# Altium PCB PowerBoard.PcbDoc
Units mm, origin at the board's own origin, x right, y up, seen from the top; angles counter-clockwise.
Board outline 141.61 x 111.12 mm, 2 copper layers (Top Layer, Bottom Layer); 66 components, 31 nets, 161 pads, 14 vias.
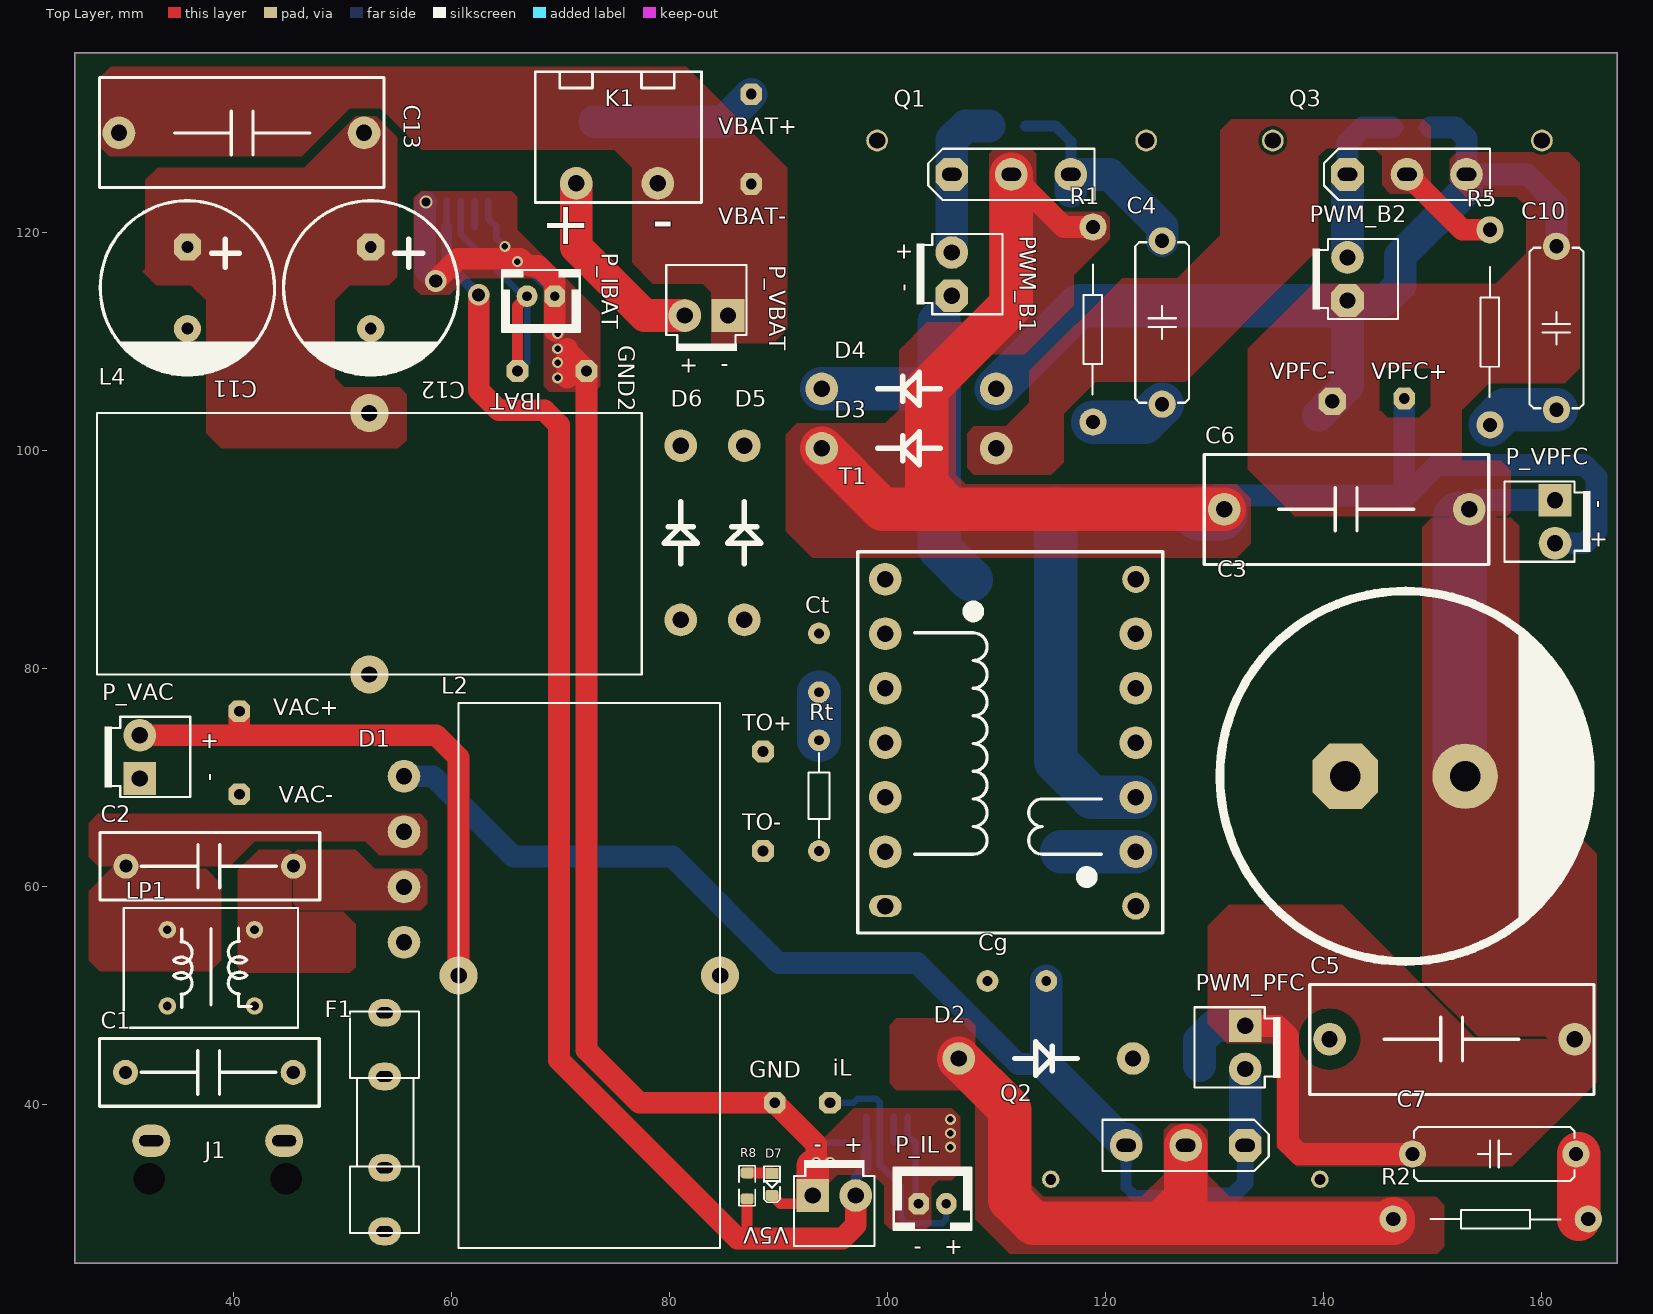
[diagram p0: Top Layer view]
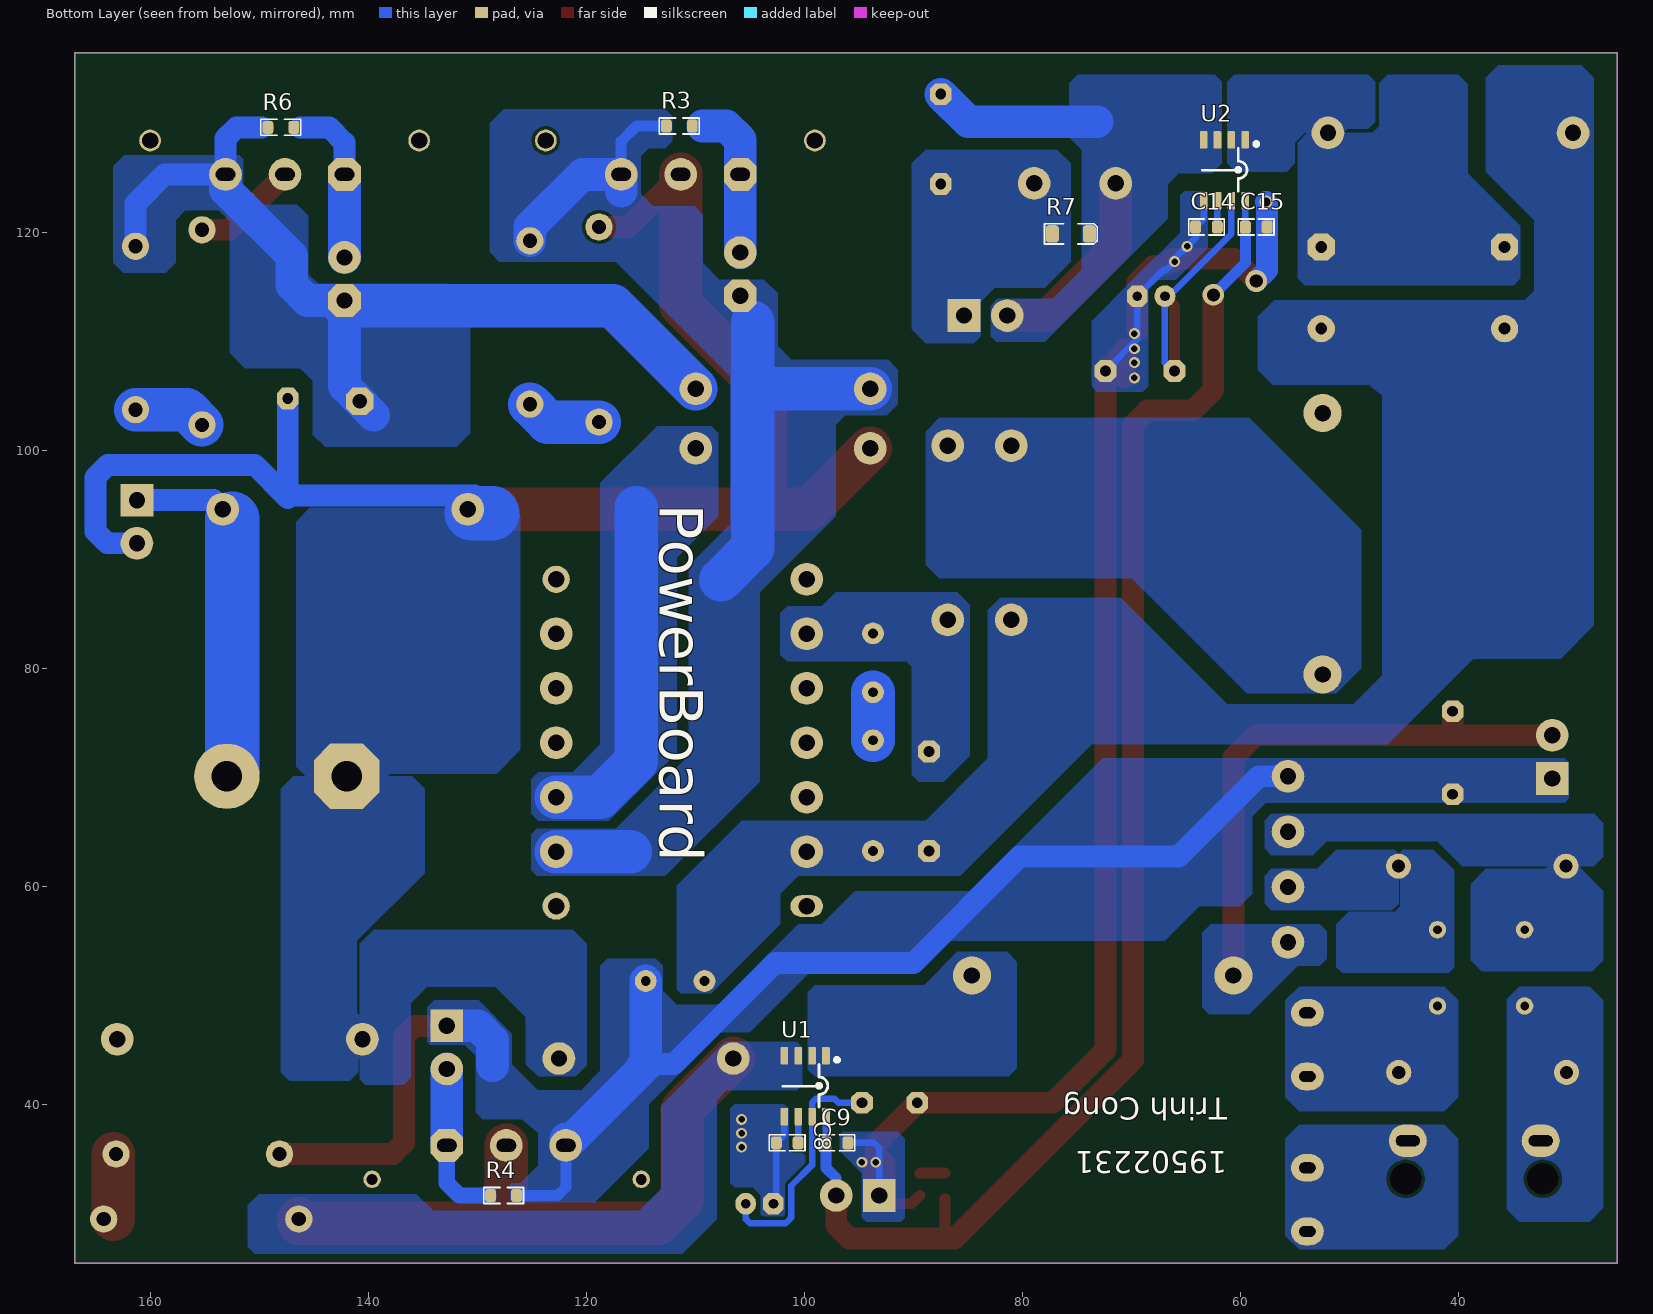
[diagram p1: Bottom Layer view, seen from below]

## Layer stack, top to bottom
Top Solder: solder mask 0.0102, Solder Resist, Dk 3.5
Top Layer: signal copper 0.0356
Dielectric 1: dielectric 0.32, FR-4, Dk 4.8
Bottom Layer: signal copper 0.0356
Bottom Solder: solder mask 0.0102, Solder Resist, Dk 3.5

## Board outline
25.4,25.4 167.005,25.4 167.005,136.525 25.4,136.525

## Design rules (kind name [scope] priority, off if disabled: settings)
Clearance [All] p1: gap=0.3 ignorepadtopadclearanceinfootprint=FALSE
PolygonConnect [All] p1: connectstyle=Direct reliefconductorwidth=0.254 reliefentries=4 polygonreliefangle="90 Angle" airgapwidth=0.254
RoutingVias [All] p1: holewidth=0.711 width=1.27 viastyle="Through Hole" minholewidth=0.711 minwidth=1.27 maxholewidth=0.711 maxwidth=1.27
SolderMaskExpansion [All] p1: expansion=0.102 istentingtop=FALSE
Width [All] p1: maxlimit=5 minlimit=0.5 preferedwidth=2
30 further rules are at their usual default settings.

## Components (designator, comment, footprint, x,y, rotation, side; value= is the part's Value field where it differs from the comment)
C1 "0.1uF" "CAP P=15MM" 30.066,42.926 r0 top value=0,047uF
C2 "0.1uF" "CAP P=15MM" 30.099,61.849 r0 top value=0,047uF
C3 "470uF 450V" "cap dxl 35x45" 147.535,70.104 r0 top
C4 "NO" "CAP CBB22 100nF/630V" 125.222,111.76 r270 top value=0,047uF
C5 "105K 275VAC" "CAP P=22.5mm Len=26.5" 163.089,45.974 r180 top value=0,047uF
C6 "105K 275VAC" "CAP P=22.5mm Len=26.5" 153.416,94.615 r180 top value=0,047uF
C7 "NO" "CAP CBB22 100nF/630V" 155.702,35.433 r0 top value=0,047uF
C8 "1nF" cap_0805 101.6,36.449 r0 bottom
C9 "0.1uF" cap_0805 97.028,36.449 r0 bottom
C10 "NO" "CAP CBB22 100nF/630V" 161.417,111.252 r270 top value=0,047uF
C11 "1000uF 63V" "CAP DxL 16x25" 35.747,114.935 r270 top
C12 "1000uF 63V" "CAP DxL 16x25" 52.578,114.935 r270 top
C13 "105K 275VAC" "CAP P=22.5mm Len=26.5" 29.464,129.159 r0 top value=0,047uF
C14 "1nF" cap_0805 63.119,120.523 r0 bottom
C15 "0.1uF" cap_0805 58.547,120.523 r0 bottom
Cg "2.2nF 1000V" "CAP CERAMIC Blue" 111.887,51.308 r180 top value=0,047uF
Ct "1nF 1000V" "CAP CERAMIC Blue" 93.726,80.518 r90 top value=0,047uF
D1 "KBL410 KV 4A" "SIP-4 KBL" 55.626,59.944 r90 top
D2 "DIODE DIP" "DIODE DO-201AD" 114.554,44.196 r0 top value=HER506
D3 "DIODE DIP" "DIODE DO-201AD" 101.981,100.203 r180 top value=HER506
D4 "DIODE DIP" "DIODE DO-201AD" 101.981,105.664 r180 top value=HER506
D5 "DIODE DIP" "DIODE DO-201AD" 86.868,92.456 r90 top value=HER506
D6 "DIODE DIP" "DIODE DO-201AD" 81.026,92.456 r90 top value=HER506
D7 "LED0805" LED0805 89.408,32.639 r270 top
F1 "F1A" FUSE 53.848,38.354 r90 top value=Fuse
GND "test PCB" Tp_black_1p#1 89.662,40.132 r0 top
GND2 "test PCB" Tp_black_1p#1 72.39,107.315 r0 top
IBAT "test PCB" tp_red_1p 66.04,107.315 r0 top
iL "test PCB" tp_red_1p 94.742,40.132 r0 top
J1 "Jack AC005" AC005 44.631,36.647 r180 top
K1 "KF_2PIN" KF_2PIN 75.184,128.524 r180 top
L2 "5mH" "IND 40P" 72.644,51.816 r0 top
L4 "5mH" "IND 40P" 52.451,91.44 r90 top
LP1 "5mH" "Filter Inductor" 29.909,58.022 r180 top value=300nH
P_IBAT "HHDR_2" XH_2 68.199,114.173 r180 top
P_IL "HHDR_2" XH_2 104.14,30.861 r0 top
P_VAC "HHDR_2" VH-2#1 31.369,71.882 r90 top
P_VBAT "HHDR_2" VH-2#1 83.387,112.395 r180 top
P_VPFC "HHDR_2" VH-2#1 161.29,93.472 r270 top
PWM_B1 "HHDR_2" VH-2#2 105.918,116.205 r90 top
PWM_B2 "HHDR_2" VH-2#2 142.24,115.749 r90 top
PWM_PFC "HHDR_2" VH-2#1 132.842,45.212 r270 top
Q1 "IRFP460" "TO-247 - HS342512"#1 105.918,125.349 r0 top
Q2 "IRFP460" "TO-247 - HS342512"#2 132.842,36.218 r180 top
Q3 "IRFP460" "TO-247 - HS342512"#1 142.24,125.349 r0 top
R1 "NO" R-2W 118.872,111.125 r90 top value="R1/4W - 1K"
R2 "NO" R-2W 155.829,29.464 r180 top value="R1/4W - 1K"
R3 "40K" R0805 111.506,129.794 r0 bottom
R4 "40K" R0805 127.635,31.623 r0 bottom
R5 "NO" R-2W 155.321,110.871 r90 top value="R1/4W - 1K"
R6 "40K" R0805 148.082,129.667 r0 bottom
R7 "470K" R1206 75.565,119.888 r180 bottom
R8 "1K" R0805 87.122,32.512 r270 top
Rt "10" R1/4W4 93.726,63.246 r90 top value="R1/4W - 1K"
T1 "EER35" "Pulse Transformer" 122.809,58.185 r90 top
TO+ "test PCB" tp_red_1p 88.576,72.39 r0 top
TO- "test PCB" Tp_black_1p#1 88.576,63.246 r0 top
U1 "ACS712-5A" ACS712 99.949,41.656 r270 bottom
U2 "ACS712-5A" ACS712 61.468,125.73 r270 bottom
V5V "HHDR_2" VH-2#1 95.123,31.623 r0 top
VAC+ "test PCB" tp_red_1p 40.513,76.073 r270 top
VAC- "test PCB" Tp_black_1p#1 40.513,68.453 r270 top
VBAT+ "test PCB" tp_red_1p 87.503,132.715 r0 top (schematic designator Vbat+)
VBAT- "test PCB" Tp_black_1p#1 87.503,124.46 r0 top
VPFC+ "test PCB" tp_red_1p 147.447,104.775 r0 top (schematic designator Vpfc+)
VPFC- "test PCB" Tp_black_1p#2 140.843,104.521 r0 top (schematic designator Vpfc-)

## Footprints (in the part's own frame and the unit in brackets; to place one, negate y for a bottom-side part, rotate by r counter-clockwise, add the part's x,y. Pads: shape width x height; smd on the part's side, far side on the other; paste and mask are expansions set on the pad)
AC005 [mm] "AC005"
  oval 3.5x3 hole 1 slot 2.2 at 0 deg: 1(0,0) 2(12.2,0)
  round 0 hole 2.9: 12(-0.2,3.5) 12(12.4,3.5)
  body extent -4.9,-0.89 17.1,13.11, height 15.7
ACS712 [mm]
  rrect25% 1.6x0.7 smd: 1(-2.792,1.905) 2(-2.792,0.635) 3(-2.792,-0.635) 4(-2.792,-1.905) 5(2.792,-1.905) 6(2.792,-0.635) 7(2.792,0.635) 8(2.792,1.905)
  silkscreen extent -2.51,-2.03 1.92,3.02, body extent -3,-2.45 3,2.45, height 1.75
"CAP CBB22 100nF/630V" [mm]
  round 2.5 hole 1.3: 1(-7.5,0) 2(7.5,0)
  silkscreen extent -7.37,-2.48 7.37,2.48, body extent -9.23,-3.5 9.27,3.5, height 15
"CAP CERAMIC Blue" [mm] "2.2nF 1000V"
  round 2 hole 0.9: 1(-2.7,0) 2(2.7,0)
  body extent -3.25,-1.5 3.25,1.5, height 7
"CAP DxL 16x25" [mm] "1000uF 63V"
  oct 2.5x2.5 hole 1.1: 1(-3.75,0)
  round 2.5 hole 1.1: 2(3.75,0)
  silkscreen extent -8,-8 8,8, body extent -8.25,-8.25 8.25,8.25, height 26.4
"cap dxl 35x45" [mm] "470uF, 1000uF 450V"
  oct 6x6 hole 2.8: 1(-5.5,0)
  round 6 hole 2.8: 2(5.5,0)
  silkscreen extent -17,-17 17,17, body extent -17.5,-17.5 17.5,17.5, height 46
"CAP P=15MM" [mm] "Cap keo"
  round 2.3 hole 1.2: 1(0,0) 2(15.4,0)
  silkscreen extent -2.38,-3.1 17.8,3.1, body extent -2.36,-3.1 17.8,3.1, height 13.89
"CAP P=22.5mm Len=26.5" [mm] "Film Capacitor Grey Pitch 22.5mm, lenght 26.5mm, width 10.5mm, height 18.5mm, pin diameter 0.8mm"
  round 3 hole 1.5: 1(0,0) 2(22.5,0)
  silkscreen extent -1.78,-5.02 24.32,5.08, body extent -2,-5.25 24.5,5.25, height 18.5
cap_0805 [mm] "CHIP Capacitor, 2.0X1.3mm, 0805"
  rrect50% 1x1.2 smd mask+0.075: 1(-1,0) 2(1,0)
  silkscreen extent -1.64,-0.74 1.64,0.74, body extent -1,-0.63 1,0.62, height 1
"DIODE DO-201AD" [mm] "DIODE DO-201AD"
  round 3 hole 1.5: 1(-8,0) 2(8,0)
  silkscreen extent -2.86,-1.52 2.86,1.52, body extent -10.55,-2.55 10.55,2.55, height 7.55
"Filter Inductor" [mm]
  round 1.6 hole 0.8: 1(-12,9) 2(-12,2) 3(-4,9) 4(-4,2)
  silkscreen extent -16,0 0,11, body extent -15.5,0.25 -0.5,10.75, height 5.5
FUSE [mm] "De Fuse"
  oval 2.54x3 hole 1 slot 1.5 at 90 deg: 1(-10.033,0) 1(-4.191,0) 2(4.191,0) 2(10.033,0)
  silkscreen extent -10.16,-3.18 10.16,3.18, body extent -10.16,-3.1 10.16,3.1, height 9.6
"IND 40P" [mm]
  round 3.5 hole 1.5 mask+0.1: 1(-12,0) 2(12,0)
  silkscreen extent -12,-25 12,25, body extent -8.45,-24.54 8.8,24.69, height 41.91
KF_2PIN [mm]
  round 3 hole 1.5: 1(-3.75,4) 2(3.75,4)
  silkscreen extent -7.75,-6.25 7.5,5.75, body extent -7.62,-6.25 7.62,5.75, height 12.4
LED0805 [mm] "LED SMD 0805"
  rect 1x1.2 smd mask+0.075: 1(-1,0)
  rrect50% 1x1.2 smd mask+0.075: 2(1,0)
  Top Layer pour cut-out: -0.5,0.8 0.5,0.8 0.5,-0.8 -0.5,-0.8
  silkscreen extent -1.65,-0.74 1.65,0.74, body extent -1.01,-0.62 1.01,0.63, height 1.1
"Pulse Transformer" [mm] "Pulse Transformer"
  round 2.5 hole 1.5: 1(0,0) 7(30,0)
  round 3 hole 1.5: 2(5,0) 3(10,0) 4(15,0) 5(20,0) 6(25,0) 8(30,23) 9(25,23) 10(20,23) 11(15,23) 12(10,23) 13(5,23)
  oval 2x3 hole 1.5: 14(0,23)
  silkscreen extent -2.48,-2.48 32.52,25.52, body extent -8.01,-4.5 37.99,27.5, height 49.55
R1/4W4 [mm] "R 1/4W, 2 Pin, 400mil"
  round 2 hole 0.9: 1(0,0) 2(10.16,0)
  silkscreen extent 1.19,-0.97 9.02,0.97, body extent -0.3,-1.14 10.46,1.17, height 2.93
R0805 [mm] "0.125W 1/8W"
  rrect50% 1x1.2 smd mask+0.05: 1(-1.191,0) 2(1.191,0)
  silkscreen extent -1.83,-0.74 1.83,0.74, body extent -1.15,-0.67 1.15,0.67, height 0.76
R1206 [mm] "0.25W 1/4W"
  rrect50% 1.2x1.6 smd mask+0.05: 1(-1.699,0) 2(1.699,0)
  silkscreen extent -2.41,-0.93 2.41,0.93, body extent -1.6,-0.8 1.6,0.8, height 0.62
R-2W [mm] "R-2W"
  round 2.5 hole 1.3: 1(-8.509,0) 2(9.398,0)
  silkscreen extent -5.97,-0.81 5.97,0.86, body extent -8.87,-2.39 9.72,2.39, height 6
"SIP-4 KBL" [mm] "SILICON BRIDGE RECTIFIERS"
  round 3 hole 1.5: 1(-5.08,0) 2(0,0) 3(5.08,0) 4(10.16,0)
  body extent -6.92,-1.79 12.08,4.46, height 15.7
"TO-247 - HS342512"#1 [mm] "Nhôm T?n Nhi?t 34x25x12 Hàn PCB"
  oct 3x3 hole 1.2 slot 1.8 at 0 deg: 1(0,0)
  round 3 hole 1.2 slot 1.8 at 0 deg: 2(5.46,0) 3(10.92,0)
  round 2 hole 1.5: ""(-6.858,3.111) ""(17.842,3.111)
  silkscreen extent -2.16,-2.35 13.08,2.35, body extent -11.8,-3.14 22.72,9.36, height 25.2
"TO-247 - HS342512"#2 [mm] "Nhôm T?n Nhi?t 34x25x12 Hàn PCB"
  oct 3x3 hole 1.2 slot 1.8 at 0 deg: 1(0,0)
  round 3 hole 1.2 slot 1.8 at 0 deg: 2(5.46,0) 3(10.92,0)
  round 1.6 hole 1: ""(-6.858,3.111) ""(17.842,3.112)
  silkscreen extent -2.16,-2.35 13.08,2.35, body extent -11.8,-3.14 22.72,9.36, height 25.2
Tp_black_1p#1 [mm]
  oct 2x2 hole 1: 1(0,0)
  body extent -1.15,-1.15 1.15,1.15, height 5
Tp_black_1p#2 [mm]
  oct 2.5x2.5 hole 1.3: 1(0,0)
  body extent -1.15,-1.15 1.15,1.15, height 5
tp_red_1p [mm]
  oct 2x2 hole 1: 1(0,0)
  body extent -1.15,-1.15 1.15,1.15, height 5
VH-2#1 [mm] "PW10-xx-M, JST-BxB-XH-A pitch: 2.5mm"
  rect 3x3 hole 1.5: 1(-1.98,0)
  round 3 hole 1.5: 2(1.98,0)
  silkscreen extent -3.68,-4.64 3.68,3.24, body extent -3.93,-4.8 3.93,3.7, height 10.9
VH-2#2 [mm] "PW10-xx-M, JST-BxB-XH-A pitch: 2.5mm"
  oct 3x3 hole 1.5: 1(-1.98,0)
  round 3 hole 1.5: 2(1.98,0)
  silkscreen extent -3.68,-4.64 3.68,3.22, body extent -3.93,-4.8 3.93,3.7, height 10.9
XH_2 [mm] "PW10-xx-M, JST-BxB-XH-A pitch: 2.5mm"
  oct 1.9x2 hole 0.9: 1(-1.27,0)
  oval 1.9x2 hole 0.9: 2(1.27,0)
  silkscreen extent -3.56,-2.4 3.56,3.3, body extent -3.61,-2.49 3.61,3.35, height 7.21

## Part data
C1 C2: library part "CAP Keo", "Polyester Film Capacitor 0NF 104J 275VAC", Copyright=VanDungEvn
C3 C11 C12: library part "CAP DIP", "CAP DIP"
C4 C5 C6 C7 C10 C13: library part "CAP Keo", "CAP Keo", Copyright=VanDungEvn
C8 C9 C14 C15: library part "CAP SMD", "CAP SMD", ASSEMBLY=ASSEMBLY, MANF=-, MANF_P#=MANF_PART#, PARAM="-, -%", PARAM2=-V, PRICE="100= 1$"
Cg: library part "CAP Keo", "Tu Gom Xanh 2.2nF 1000V", Copyright=VanDungEvn
Ct: library part "CAP Keo", "Tu Gom Xanh 1nF 1000V", Copyright=VanDungEvn
D1: library part "Diode Bridge", "Diode Bridge 1KV 4A"
D7: library part LED_SMD_0805, "LED, SMD, 0805", ASSEMBLY=ASSEMBLY, DESC=DESCRIPTION, MANF=MANF, MANF_P#=MANF_PART#, PARAM2=2.2V, PRICE=PRICE
F1: library part Fuse, "Cau Chi ong Thuy Tinh 3A 5x20mm", Designed by=VanDungEvn
GND GND2 IBAT iL TO+ TO- VAC+ VAC- VBAT+ VBAT- VPFC+ VPFC-: "testpin"
J1: library part "Jack AC", "AC005 5A"
L2 L4: library part "IND DIP", "IND DIP", LCSC=C412264, Manufacturer=Murata, Manufacturer Part Number=LQW15AN2N2G80D
LP1: library part "IND Filter 15mH", "INDUCTOR, 15mH", ASSEMBLY=ASSEMBLY, MANF=Coilcraft, MANF_P#=XAL1030-301MEC, PARAM="25~35A (Irms), 68A Isat, -40~165oC", PARAM2="1.7mOhm, 3mm Height", PRICE=4$
P_IBAT P_IL: library part XH_2, "XH 2 JST-XH pitch: 2.5mm"
P_VAC P_VBAT P_VPFC PWM_B1 PWM_B2 PWM_PFC V5V: library part VH-2, "VH-2"
Q1 Q2 Q3: library part "MOSFET IRFP460", "MOSFET N-Channel 500 V 20A (Tc) 280W (Tc) Through Hole TO-247AC", Package="TO-247 Vishay Siliconix", Availability="In Stock", Check_prices=https://www.snapeda.com/parts/IRFP460/Vishay+Siliconix/view-part/?ref=eda, MF="Vishay Siliconix", MP=IRFP460, PRICE=None, Purchase-URL=https://pricing.snapeda.com/search/part/IRFP460/?ref=eda, SnapEDA_Link=https://www.snapeda.com/parts/IRFP460/Vishay+Siliconix/view-part/?ref=snap
R1 R2 R5: library part "RES DIP", "RES DIP"
R3 R4 R6 R7 R8: library part "RES SMD", "RES SMD", ASSEMBLY=ASSEMBLY, DESC=DESCRIPTION, DIST#=MOUSER, MANF=VISHAY, MANF_P#=WSLP0805R0100FEA, PARAM="0.5W, -55~155oC", PARAM2=1%, PRICE=0.5$
Rt: library part "RES DIP", "10 ohm, 1W"
T1: library part "Pulse Transformer", "Pulse Transformer"
U1 U2: library part ACS712ELCTR-T, "ACS712ELCTR-T", Package=None, Availability=Unavailable, MF="{'manufacturer': u'Allegro'}", MP=ACS712ELCTR-20A-T, PRICE=None
D2 D3 D4 D5 D6: ASSEMBLY=ASSEMBLY, DESC=DESCRIPTION, MANF=Kingtronics, MANF_P#=M7, PARAM="1000V VRRM", PARAM2=1A, PRICE=PRICE

## Via types
v1: diameter 1, hole 0.6, Top Layer to Bottom Layer, 11 vias
v2: diameter 2, hole 1.2, Top Layer to Bottom Layer, 2 vias
v3: diameter 1.2, hole 0.8, Top Layer to Bottom Layer, 1 vias

## Nets (pads, with @x,y where several pads share a name; then routed paths per layer and width w, separated by ;. In a path a pad name is that pad's centre, name@x,y a point inside that pad or via, vN(x,y) a via of type N, cw(c..) or ccw(c..) an arc to the next point about the centre after c; other vN are vias at no path point)
+5: C9.2 C15.2 R8.2 U1.8 U2.8 V5V.2 | length 135.2
  Top Layer w1: 87.122,27.813 R8.2 ; 87.503,27.686 87.63,27.813
  Top Layer w2: v2(62.484,114.3) 62.484,105.537 64.325,103.695 68.516,103.695 69.85,102.362 69.85,44.069 86.233,27.686 87.503,27.686 95.885,27.686 97.103,28.904 V5V.2 V5V.2@97.103,31.877
  Bottom Layer w0.6: C15.2 59.563,120.539 U2.8 ; C9.2 98.044,36.465 U1.8
  Bottom Layer w1: C15.2 59.547,117.237 v2(62.484,114.3) ; V5V.2@97.103,30.861 V5V.2 97.103,33.222 98.028,34.147 C9.2
BAT+: K1.2 P_VBAT.2 R7.2 U2.3 U2.4 VBAT+.1 | length 33.8
  Top Layer w3: K1.2 71.434,118.685 77.724,112.395 P_VBAT.2
  Bottom Layer w3: 73.152,130.175 84.963,130.175 VBAT+.1
COM1: C4.1 D4.2 PWM_B1.1 Q1.3 R3.2 T1.2 | length 63.6
  Bottom Layer w1: R3.2 115.443,129.794 116.838,128.399 Q1.3
  Bottom Layer w3: 116.838,123.823 Q1.3 120.396,125.349 125.222,120.523 C4.1
  Bottom Layer w4: D4.2 104.267,105.664 104.775,106.172 ; 104.775,111.76 104.775,106.172 ; 107.696,88.138 104.775,91.059 104.775,106.172 ; 116.012,63.185 T1.2
COM2: C3.2 C5.1 C6.1 C7.1 C10.1 Cg.1 D1.4 D4.1 P_VAC.1 P_VPFC.1 PWM_B2.1 PWM_PFC.1 Q2.3 Q3.3 R4.1 R6.2 VAC-.1 VPFC-.1 | length 249.2
  Top Layer w2: PWM_PFC.1 135.815,47.192 136.779,46.228 136.779,36.449 137.795,35.433 C7.1
  Bottom Layer w1: Q2.3 121.922,32.383 122.682,31.623 R4.1 ; R6.2 149.86,129.667
  Bottom Layer w2: D1.4 58.293,70.104 65.659,62.738 80.264,62.738 90.043,52.959 102.743,52.959 112.014,43.688 114.587,43.688 115.351,43.688 ; 149.86,129.667 152.146,129.667 153.16,128.653 Q3.3 158.75,125.349 161.417,122.682 C10.1 ; C6.1 154.253,95.452 P_VPFC.1
  Bottom Layer w3: Cg.1 114.587,43.688 114.587,43.553 Q2.3 Q2.3@121.922,36.832 ; 128.651,43.561 128.651,45.847 129.996,47.192 PWM_PFC.1 ; 139.573,103.251 VPFC-.1 142.24,105.918 142.24,113.284 PWM_B2.1 145.646,113.769 147.066,115.189 147.066,117.856 153.16,123.95 Q3.3
  Bottom Layer w4: D4.1 117.601,113.284 PWM_B2.1@142.24,113.284
  Bottom Layer w5: C6.1@152.527,93.726 152.527,70.612 C3.2
GNBAT: C11.2 C12.2 C13.1 Cg.2 D6.1 K1.1 P_VBAT.1 R7.1 Rt.1 T1.13 TO-.1 VBAT-.1
GND: C8.2 C9.1 C14.2 C15.1 D7.2 GND2.1 GND.1 P_IBAT.1 P_IL.1 U1.5 U2.5 V5V.1 | length 162.7
  Top Layer w1: D7.2 90.186,30.861 V5V.1@93.143,30.861
  Top Layer w2: v2(58.547,115.57) 60.579,117.602 65.786,117.602 v1(66.04,117.348) 66.294,117.602 66.802,117.094 ; 67.183,116.967 67.945,116.967 69.469,115.443 P_IBAT.1 v1@69.469,110.998 ; 70.612,109.347 70.612,109.093 ; 71.247,107.315 70.612,106.68 70.612,108.077 70.612,109.093 ; v1@93.143,34.342 v1(93.472,34.671) 93.472,36.322 GND.1 77.216,40.132 72.39,44.958 GND2.1 70.612,109.093
  Top Layer w3: V5V.1 v1@93.143,34.342
  Bottom Layer w0.6: U2.5 63.373,121.269 C14.2 64.119,119.523 v1(64.897,118.745) 66.04,117.602 v1(66.04,117.348) 66.802,116.586 67.056,116.586 P_IBAT.1 69.469,110.236 GND2.1 ; V5V.1@93.143,30.861 V5V.1 93.143,35.993 93.599,36.449 C9.1 ; U1.5 101.854,37.195 C8.2 102.6,31.131 P_IL.1
  Bottom Layer w2: v3(57.658,122.809) 57.547,122.698 C15.1 57.547,116.57 v2(58.547,115.57)
  other v1: 94.742,34.671 105.791,36.068 105.791,37.338 105.791,38.608 69.723,106.68 69.723,108.077 69.723,109.347 69.723,110.744
NetC1_1: C1.1 J1.2 LP1.3
NetC1_2: C1.2 F1.2 LP1.1
NetC2_1: C2.1 D1.3 LP1.4
NetC2_2: C2.2 D1.2 LP1.2
NetC3_1: C3.1 C5.2 C6.2 D2.2 D3.2 P_VPFC.2 Q1.2 R1.2 VPFC+.1 | length 140.9
  Top Layer w2: Q1.2 116.204,120.523 R1.2
  Top Layer w4: D3.2 99.569,94.615 105.791,94.615 ; Q1.2 111.378,113.41 103.632,105.664 103.632,96.774 105.791,94.615 ; C6.2 105.791,94.615
  Bottom Layer w2: C6.2@130.302,95.885 147.447,95.885 ; C6.2 C6.2@131.445,94.615 ; VPFC+.1 147.447,95.885 ; P_VPFC.2 164.009,91.492 165.1,92.583 165.1,97.536 163.957,98.679 150.495,98.679 147.447,95.631 147.447,95.885
  Bottom Layer w5: 128.651,94.234 C6.2@130.556,94.234
NetC4_2: C4.2 R1.1 | length 7
  Bottom Layer w4: R1.1 123.578,102.616 C4.2
NetC7_2: C7.2 R2.1 | length 6
  Top Layer w4: R2.1@163.456,29.464 C7.2@163.456,35.433
NetC8_1: C8.1 U1.6 | length 2.4
  Bottom Layer w0.6: U1.6 100.6,38.848 C8.1
NetC10_2: C10.2 R5.1 | length 6.7
  Bottom Layer w4: R5.1 156.711,103.752 C10.2
NetC11_1: C11.1 C12.1 C13.2 L4.2 U2.1 U2.2
NetC14_1: C14.1 U2.6 | length 2.4
  Bottom Layer w0.6: U2.6 62.103,120.539 C14.1
NetCt_1: Ct.1 Rt.2 | length 4.4
  Bottom Layer w4: Rt.2 Ct.1
NetCt_2: Ct.2 D5.1 T1.9 TO+.1
NetD1_1: D1.1 L2.1 P_VAC.2 VAC+.1 | length 52.3
  Top Layer w2: P_VAC.2 40.513,73.862 ; VAC+.1 40.513,73.862 ; L2.1 60.644,71.817 58.599,73.862 40.513,73.862
NetD2_1: D2.1 Q2.2 R2.2 U1.3 U1.4 | length 59.4
  Top Layer w4: D2.1 111.252,39.498 111.252,31.242 113.411,29.083 125.095,29.083 ; Q2.2 127.382,31.37 125.095,29.083 ; R2.2 146.431,29.083 138.049,29.083 125.095,29.083
NetD3_1: D3.1 Q3.2 R5.2 T1.3 | length 41.7
  Top Layer w2: Q3.2 152.78,120.269 R5.2
  Bottom Layer w4: 115.443,94.741 115.443,71.501 118.759,68.185 T1.3
NetD5_2: D5.2 D6.2 L4.1
NetD7_1: D7.1 R8.1 | length 2.3
  Top Layer w1: R8.1 89.344,33.703 D7.1
NetF1_1: F1.1 J1.1
NetIBAT_1: IBAT.1 P_IBAT.2 U2.7 | length 26.1
  Top Layer w1: IBAT.1 66.04,113.284 P_IBAT.2
  Bottom Layer w0.6: U2.7 60.833,119.888 66.548,114.173 P_IBAT.2 66.929,108.077 IBAT.1@66.04,107.188
NetiL_1: iL.1 P_IL.2 U1.7 | length 22.2
  Bottom Layer w0.6: iL.1 96.901,40.132 97.282,40.513 98.933,40.513 99.314,40.132 U1.7 99.314,34.417 101.219,32.512 101.219,29.591 101.727,29.083 105.029,29.083 105.41,29.464 P_IL.2
NetL2_2: L2.2 U1.1 U1.2
NetPWM_B1_2: PWM_B1.2 Q1.1 R3.1 | length 15.3
  Bottom Layer w1: 109.347,129.794 R3.1
  Bottom Layer w3: PWM_B1.2 Q1.1 105.918,128.524 107.188,129.794 109.347,129.794
NetPWM_B2_2: PWM_B2.2 Q3.1 R6.1 | length 15.8
  Bottom Layer w1: 146.304,129.667 R6.1
  Bottom Layer w2: Q3.1 142.24,128.27 143.637,129.667 146.304,129.667
  Bottom Layer w3: PWM_B2.2 Q3.1
NetPWM_PFC_2: PWM_PFC.2 Q2.1 R4.2 | length 14.7
  Bottom Layer w1.5: R4.2@129.032,31.623 131.699,31.623 132.842,32.766 Q2.1
  Bottom Layer w3: Q2.1 PWM_PFC.2
pads on no net: J1.12 Q1. Q2. Q3. T1.1 T1.4 T1.5 T1.6 T1.7 T1.8 T1.10 T1.11 T1.12 T1.14

## Polygon pours and split planes (outlines as drawn)
NetC3_1 on Bottom Layer "netc" (solid, pour order 58): 138.303,70.104 138.049,70.358 128.27,70.358 126.111,72.517 126.111,93.853 127,94.742 145.415,94.742 146.685,93.472 146.685,92.329 146.685,70.993 145.796,70.104 145.415,70.104
NetC3_1 on Bottom Layer "netc" (solid, pour order 57): 140.843,48.133 141.097,48.387 141.097,54.991 134.874,61.214 134.874,68.961 136.017,70.104 146.939,70.104 148.082,68.961 148.082,42.926 147.32,42.164 141.732,42.164 140.97,42.926 140.97,44.069 140.843,44.196 140.843,44.831
NetC3_1 on Bottom Layer "netc" (solid, pour order 56): 125.603,43.688 124.46,42.545 121.031,42.545 120.015,43.561 120.015,54.737 121.285,56.007 139.573,56.007 140.843,54.737 140.843,42.291 140.335,41.783 136.779,41.783 136.144,42.418 136.144,49.276 134.62,50.8 128.397,50.8 125.603,48.006
COM2 on Bottom Layer "netc" (solid, pour order 52): 130.683,104.607 130.683,113.157 132.842,115.316 140.716,115.316 144.653,115.316 145.542,116.205 145.542,121.539 146.558,122.555 149.606,122.555 151.511,124.46 151.511,126.746 151.892,127.127 154.432,127.127 162.433,127.127 163.449,126.111 163.449,117.221 162.56,116.332 158.623,116.332 157.734,117.221 157.734,121.158 156.845,122.047 153.797,122.047 152.781,121.031 152.781,108.966 151.384,107.569 146.304,107.569 145.161,106.426 145.161,101.473 144.018,100.33 139.065,100.33 132.969,100.33 131.953,100.33 130.683,101.6
COM1 on Bottom Layer "netc" (solid, pour order 54): 124.587,65.278 125.095,64.77 125.095,61.468 124.587,60.96 112.776,60.96 104.14,69.596 104.14,86.995 97.155,93.98 97.155,102.362 96.266,103.251 92.456,103.251 91.44,104.267 91.44,107.442 92.329,108.331 101.219,108.331 102.489,109.601 102.489,114.427 103.759,115.697 107.823,115.697 109.347,117.221 109.347,121.666 110.109,122.428 113.919,122.428 115.062,123.571 115.062,127 114.3,127.762 112.776,127.762 112.141,128.397 112.141,130.683 112.776,131.318 127.635,131.318 128.905,130.048 128.905,118.237 128.016,117.348 117.348,117.348 106.807,106.807 106.807,93.218 110.617,89.408 110.617,72.009 117.348,65.278
NetD3_1 on Bottom Layer "netc" (solid, pour order 53): 124.46,70.485 125.095,69.85 125.095,66.675 124.46,66.04 117.983,66.04 111.76,72.263 111.76,90.17 107.95,93.98 107.95,101.6 108.585,102.235 113.538,102.235 118.745,97.028 118.745,73.025 121.285,70.485
COM2 on Bottom Layer "netc" (solid, pour order 49): 124.206,37.126 125.984,38.608 129.54,38.608 130.175,39.243 130.175,44.45 131.191,45.466 134.366,45.466 134.62,45.72 134.62,48.895 133.985,49.53 129.921,49.53 126.873,46.482 126.873,43.688 124.206,41.021
COM2 on Bottom Layer "netc" (solid, pour order 47): 57.658,67.691 30.226,67.691 29.845,68.072 29.845,71.374 30.226,71.755 72.644,71.755 84.836,59.563 95.377,59.563 98.425,56.515 100.584,56.515 107.95,49.149 111.76,49.149 113.03,50.419 113.03,52.705 113.665,53.34 118.11,53.34 118.745,52.705 118.745,46.99 118.745,43.053 120.523,41.275 124.46,41.275 124.46,34.417 126.111,32.766 126.873,32.766 127,32.639 127,31.242 126.746,30.988 119.253,30.988 114.3,35.941 114.3,40.005 107.696,46.609 105.029,46.609 102.87,48.768 100.711,50.927 99.568,52.07 89.535,52.07 86.614,54.991 66.929,54.991 63.754,58.166 60.071,58.166 58.928,59.309 58.928,66.421
NetD2_1 on Bottom Layer "netc" (solid, pour order 41): 100.711,45.72 105.664,45.72 107.315,45.72 108.077,44.958 109.728,43.307 109.728,41.275 108.077,40.386 107.188,41.275 100.711,41.275 100.203,41.783 100.203,45.212
NetD2_1 on Bottom Layer "netc" (solid, pour order 44): 108.077,44.958 113.157,39.878 113.157,32.258 115.189,30.226 134.112,30.226 135.636,31.75 150.114,31.75 151.13,30.734 151.13,26.924 150.495,26.289 111.252,26.289 108.077,29.464
NetL2_2 on Bottom Layer "netc" (solid, pour order 40): 99.695,43.18 99.06,42.545 81.28,42.545 80.518,43.307 80.518,53.086 81.407,53.975 85.979,53.975 89.027,50.927 99.06,50.927 99.695,50.292
NetCt_2 on Bottom Layer "netc" (solid, pour order 38): 89.535,69.596 87.249,69.596 84.836,72.009 84.836,85.852 85.979,86.995 97.155,86.995 98.425,85.725 101.6,85.725 102.235,85.09 102.235,81.28 101.6,80.645 90.678,80.645 90.17,80.137 90.17,70.231
NetD5_2 on Bottom Layer "netc" (solid, pour order 37): 87.63,102.997 88.9,101.727 88.9,89.535 87.63,88.265 69.977,88.265 59.436,77.724 51.181,77.724 48.895,80.01 48.895,92.71 59.182,102.997
GNBAT on Bottom Layer "netc" (solid, pour order 36): 27.559,106.045 48.252,106.045 46.99,105.083 48.252,106.045 46.99,105.083 46.99,79.375 49.657,76.708 61.214,76.708 70.993,86.487 82.042,86.487 83.185,85.344 83.185,71.755 88.9,66.04 105.791,66.04 111.76,60.071 111.76,50.546 111.379,50.165 108.585,50.165 102.235,56.515 102.235,59.309 100.584,60.96 85.725,60.96 73.66,73.025 46.482,73.025 38.608,80.899 30.607,80.899 27.559,83.947
GND on Bottom Layer "netc" (solid, pour order 35): 101.473,39.624 101.473,35.814 101.219,35.56 100.203,35.56 99.949,35.306 99.949,34.417 101.727,32.639 101.727,29.972 102.108,29.591 103.759,29.591 104.013,29.845 104.013,31.623 104.775,32.385 106.426,32.385 106.807,32.766 106.807,39.624 106.426,40.005 101.854,40.005
GND on Bottom Layer "netc" (solid, pour order 34): 94.361,29.21 91.186,29.21 90.805,29.591 90.805,36.83 91.44,37.465 96.52,37.465 96.774,37.211 96.774,35.687 96.52,35.433 94.742,33.655 94.742,31.877 94.742,29.591
NetC2_2 on Bottom Layer "netc" (solid, pour order 30): 45.466,62.992 45.085,63.373 42.291,63.373 40.386,61.468 40.386,52.578 40.894,52.07 50.673,52.07 51.181,52.578 51.181,56.515 50.038,57.658 45.847,57.658 45.339,58.166 45.339,60.579 45.466,60.706
NetC2_2 on Bottom Layer "netc" (solid, pour order 23): 46.101,57.785 51.435,57.785 57.15,57.785 57.785,58.42 57.785,60.96 57.15,61.595 52.959,61.595 51.181,63.373 45.847,63.373 45.466,62.992 45.466,58.42
NetC2_1 on Bottom Layer "netc" (solid, pour order 27): 31.75,61.849 32.004,61.595 37.465,61.595 38.862,60.198 38.862,53.213 37.846,52.197 27.686,52.197 26.67,53.213 26.67,59.563 28.956,61.849
NetC2_1 on Bottom Layer "netc" (solid, pour order 24): 57.15,66.675 57.785,66.04 57.785,63.5 57.15,62.865 53.34,62.865 52.07,64.135 41.91,64.135 39.624,61.849 27.559,61.849 26.67,62.738 26.67,65.801 27.586,66.718 27.629,66.675
NetD1_1 on Bottom Layer "netc" (solid, pour order 21): 52.705,56.515 62.738,56.515 63.5,55.753 63.5,48.895 62.865,48.26 59.182,48.26 58.42,49.022 54.737,52.705 52.705,52.705 52.07,53.34 52.07,55.88
NetF1_1 on Bottom Layer "netc" (solid, pour order 20): 40.005,36.83 41.275,38.1 54.61,38.1 55.88,36.83 55.88,27.94 54.61,26.67 41.275,26.67 40.005,27.94
NetC1_2 on Bottom Layer "netc" (solid, pour order 19): 40.005,49.53 41.275,50.8 54.61,50.8 55.88,49.53 55.88,40.64 54.61,39.37 41.275,39.37 40.005,40.64
NetC1_1 on Bottom Layer "netc" (solid, pour order 18): 35.56,30.353 34.417,29.21 27.94,29.21 26.67,30.48 26.67,49.53 27.94,50.8 34.417,50.8 35.56,49.657
GND on Bottom Layer "netc" (solid, pour order 17): 63.373,123.825 65.151,123.825 65.532,123.444 65.532,120.015 70.104,115.443 73.66,111.887 73.66,105.918 73.152,105.41 68.961,105.41 68.453,105.918 68.453,114.808 67.564,115.697 65.913,115.697 62.992,118.618 62.992,119.634 62.992,123.444
GNBAT on Bottom Layer "netc" (solid, pour order 10): 27.559,134.239 28.702,135.382 36.322,135.382 37.465,134.239 37.465,125.603 33.02,121.158 33.02,114.681 33.909,113.792 56.896,113.792 58.42,112.268 58.42,107.442 57.023,106.045 27.559,106.045
NetC11_1 on Bottom Layer "netc" (solid, pour order 13): 53.848,129.159 54.737,128.27 54.737,115.824 54.102,115.189 34.925,115.189 34.29,115.824 34.29,120.65 39.116,125.476 39.116,133.604 40.005,134.493 46.482,134.493 47.244,133.731 47.244,129.794 47.879,129.159 50.546,129.159
GNBAT on Bottom Layer "netc" (solid, pour order 8): 75.565,126.365 76.835,127.635 88.9,127.635 90.17,126.365 90.17,111.125 88.9,109.855 84.455,109.855 83.82,110.49 83.82,113.665 82.55,114.935 77.978,114.935 75.565,117.348
BAT+ on Bottom Layer "netc" (solid, pour order 6): 61.722,126.365 61.722,133.858 62.357,134.493 74.93,134.493 75.692,133.731 75.692,128.778 74.549,127.635 74.549,116.586 77.216,113.919 82.296,113.919 82.931,113.284 82.931,110.49 82.423,109.982 77.978,109.982 66.675,121.285 66.675,124.46 65.659,125.476 62.611,125.476
NetC11_1 on Bottom Layer "netc" (solid, pour order 2): 50.165,129.54 48.26,129.54 47.625,130.175 47.625,133.858 48.26,134.493 60.579,134.493 61.214,133.858 61.214,126.365 60.452,125.603 55.753,125.603 54.991,126.365 54.991,128.27 54.102,129.159 50.546,129.159
NetC3_1 on Top Layer "gnda" (solid, pour order 65): 132.08,96.901 133.35,95.631 133.35,91.44 132.08,90.17 93.091,90.17 90.678,92.583 90.678,101.473 91.694,102.489 99.822,102.489 101.092,103.759 101.092,109.22 103.632,111.76 107.188,111.76 109.347,113.919 109.347,127.254 109.855,127.762 113.157,127.762 113.665,127.254 113.665,124.46 116.205,121.92 119.888,121.92 120.396,121.412 120.396,119.38 119.805,118.789 117.094,116.078 117.094,113.284 112.649,108.839 109.601,108.839 106.299,105.537 106.299,97.79 107.188,96.901
GND on Top Layer "netc" (solid, pour order 33): 94.107,33.528 94.107,32.004 94.615,32.004 94.615,32.766 95.377,33.528 98.679,33.528 99.695,32.512 99.695,29.083 100.203,28.575 103.632,28.575 104.013,28.956 104.013,32.385 104.648,33.02 105.918,33.02 106.68,33.782 106.68,38.862 105.918,39.624 96.901,39.624 94.107,36.83
NetD3_1 on Top Layer "netc" (solid, pour order 64): 111.125,97.79 107.95,97.79 107.315,98.425 107.315,101.6 107.95,102.235 110.871,102.235 113.03,104.394 113.03,107.315 121.539,115.824 125.476,115.824 126.619,115.824 130.556,119.761 130.556,129.413 131.572,130.429 149.225,130.429 149.86,129.794 149.86,129.413 149.86,124.333 149.098,123.571 146.177,123.571 145.415,124.333 145.415,127 144.653,127.762 140.335,127.762 139.573,127 139.573,118.491 127.381,106.299 119.126,106.299 116.205,103.378 116.205,98.933 115.062,97.79
COM2 on Top Layer "netc" (solid, pour order 63): 147.13,101.028 145.161,102.997 145.161,104.775 145.161,102.997 145.161,103.759 145.923,102.997 148.844,102.997 149.86,104.013 149.86,107.569 145.161,107.569 145.161,115.316 155.829,115.316 158.623,118.11 158.623,122.428 157.734,123.317 153.035,123.317 151.638,124.714 151.638,126.746 152.273,127.381 162.56,127.381 163.576,126.365 163.576,117.221 163.576,107.569 162.179,106.172 155.194,106.172 152.717,103.695 152.717,99.06 149.098,99.06
COM2 on Top Layer "netc" (solid, pour order 62): 151.638,93.853 151.511,93.98 137.414,93.98 133.096,98.298 133.096,109.347 139.065,115.316 145.161,115.316 145.161,102.997 149.098,99.06 156.337,99.06 157.226,98.171 157.226,94.361 156.845,93.98 155.956,93.98 155.829,93.853
COM2 on Top Layer "netc" (solid, pour order 61): 149.098,70.104 149.098,92.964 149.987,93.853 157.226,93.853 157.988,93.091 157.988,70.104
COM2 on Top Layer "netc" (solid, pour order 59): 160.655,45.974 160.401,46.228 154.178,46.228 149.098,51.308 149.098,70.104 157.988,70.104 165.1,62.992 165.1,45.974 164.084,45.974
COM2 on Top Layer "netc" (solid, pour order 51): 131.191,45.593 135.255,45.593 135.763,45.085 135.763,36.068 137.541,34.29 157.353,34.29 165.1,42.037 165.1,43.434 165.1,45.974 154.051,45.974 141.732,58.293 131.318,58.293 129.413,56.388 129.413,47.371
NetD2_1 on Top Layer "netc" (solid, pour order 45): 108.077,44.958 113.157,39.878 113.157,32.639 114.3,31.496 123.317,31.496 125.349,33.528 125.349,37.592 125.984,38.227 128.778,38.227 129.413,37.592 129.413,33.528 131.445,31.496 150.368,31.496 151.13,30.734 151.13,26.924 150.495,26.289 111.252,26.289 108.077,29.464
NetD2_1 on Top Layer "netc" (solid, pour order 42): 100.838,47.879 103.505,47.879 107.442,47.879 108.077,47.244 108.077,41.91 107.442,41.275 100.838,41.275 100.203,41.91 100.203,47.244
NetC2_2 on Top Layer "netc" (solid, pour order 31): 46.101,57.785 51.435,57.785 57.15,57.785 57.785,58.42 57.785,60.96 57.15,61.595 52.959,61.595 51.181,63.373 45.847,63.373 45.466,62.992 45.466,58.42
NetC2_2 on Top Layer "netc" (solid, pour order 32): 45.466,62.992 45.085,63.373 42.291,63.373 40.386,61.468 40.386,52.578 40.894,52.07 50.673,52.07 51.181,52.578 51.181,56.515 50.038,57.658 45.847,57.658 45.339,58.166 45.339,60.579 45.466,60.706
NetC2_1 on Top Layer "netc" (solid, pour order 29): 31.75,61.849 32.004,61.595 37.465,61.595 38.862,60.198 38.862,53.213 37.846,52.197 27.686,52.197 26.67,53.213 26.67,59.563 28.956,61.849
NetC2_1 on Top Layer "netc" (solid, pour order 28): 57.15,66.675 57.785,66.04 57.785,63.5 57.15,62.865 53.34,62.865 52.07,64.135 41.91,64.135 39.624,61.849 27.559,61.849 26.67,62.738 26.67,65.801 27.586,66.718 27.629,66.675
GND on Top Layer "netc" (solid, pour order 16): 59.817,114.3 57.15,114.3 56.515,114.935 56.515,123.19 57.15,123.825 65.532,123.825 66.04,123.317 66.04,120.269 68.199,118.11 70.485,115.824 73.66,112.649 73.66,105.918 73.152,105.41 68.961,105.41 68.453,105.918 68.453,115.062 67.691,115.824 61.341,115.824
NetC11_1 on Top Layer "netc" (solid, pour order 15): 51.181,130.683 53.086,130.683 54.991,128.778 54.991,115.951 54.229,115.189 50.673,115.189 49.276,113.792 49.276,106.68 50.165,105.791 55.245,105.791 55.88,105.156 55.88,100.965 55.118,100.203 38.862,100.203 37.465,101.6 37.465,113.792 36.068,115.189 32.893,115.189 31.623,116.459 31.877,116.713 31.877,124.841 33.02,125.984 46.482,125.984
GNBAT on Top Layer "netc" (solid, pour order 7): 27.559,128.016 27.559,134.112 28.702,135.255 81.534,135.255 85.09,131.699 87.503,129.286 90.805,125.984 90.805,111.125 89.535,109.855 83.82,109.855 83.82,114.554 83.058,115.316 78.486,115.316 76.581,117.221 76.581,125.984 74.93,127.635 57.277,127.635 54.61,130.302 53.467,131.445 50.673,131.445 49.53,130.302 46.228,127 28.575,127

## Keep-outs
Keep-Out Layer:
  the board outline again, w0.152

## Silkscreen, mask and mechanical layers (free items; w line width, h text height)
Top Overlay:
  text "+" at 72.787,122.348 h4 r180
  text "-" at 80.407,122.284 h4 r180
  text "+" at 102.189,117.394 h1.52 r90
  text "-" at 102.189,114.6 h1.52 r90
  text "+" at 82.631,108.412 h1.52 r180
  text "-" at 85.425,108.412 h1.52 r180
  text "-" at 164.638,95.458 h1.52 r270
  text "+" at 164.638,92.664 h1.52 r270
  text "+" at 38.435,72.436 h1.52 r90
  text "-" at 38.435,69.642 h1.52 r90
  text "-" at 93.264,35.606 h1.52
  text "+" at 96.058,35.606 h1.52
  text "-" at 102.408,26.208 h1.52
  text "+" at 105.202,26.208 h1.52
Bottom Overlay:
  text "PowerBoard" at 113.3,95.139 h4 r90
  text "Trinh Cong" at 61.206,40.617 h2 r180
  text "19502231" at 61.206,35.695 h2 r180